# KiCad board SofleKeyboard_ref.kicad_pcb (continued)
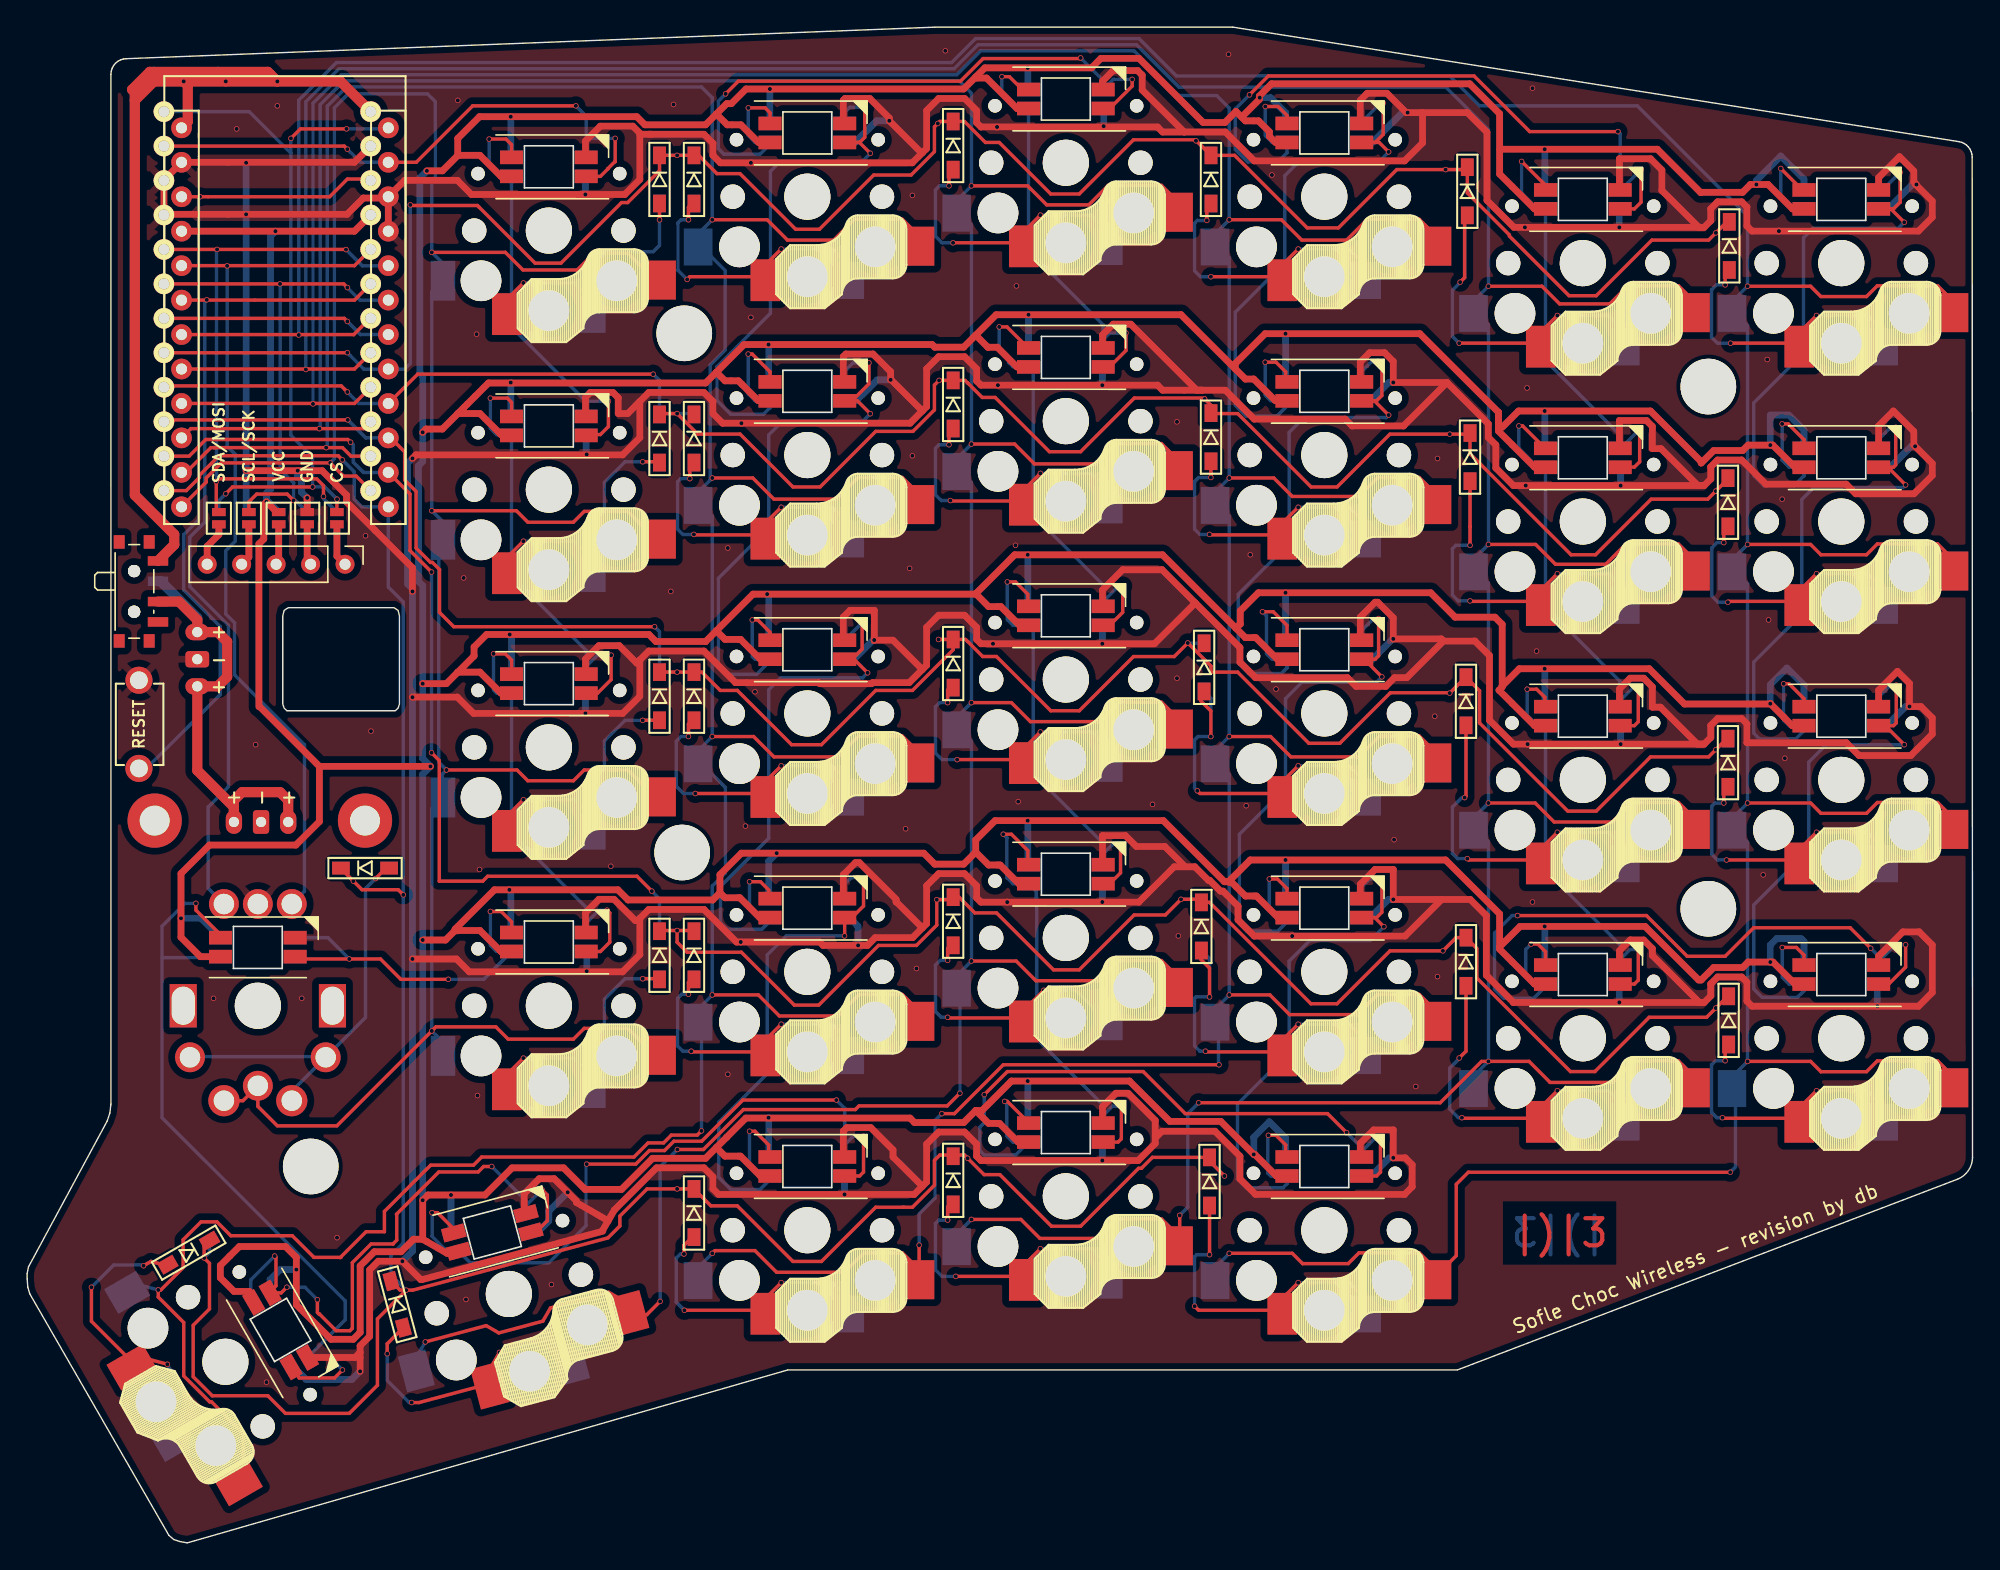
[diagram p0: board, top side]
## Routing (per net, layer and track width the routed paths; a pad name or vN(x,y) marks a point on that pad's centre or on a via; arc(x,y) is an arc through that point) (continued)
  Bottom w0.5: v1(100.68,28.39) 100.38,28.39 99.04,27.05 98.25,27.05 ; v1(100.68,47.44) 100.33,47.44 98.99,46.1 98.25,46.1 ; v1(117.44,77.95) 117.44,79.26 SW11.3 ; SW21.3 79.24,48.54 v1(79.24,47.25) ; v1(117.34,96.99) 117.34,98.29 SW5.3 ; v1(41.24,42.15) 41.24,43.56 SW19.3 ; v1(79.24,66.29) 79.24,67.59 SW15.3 ; 60.15,65.15 60.94,65.15 62.35,66.56 v1(62.43,66.56) ; 60.25,27.05 60.24,27.04 v1(60.24,25.69) ; v1(63.64,85.75) 62.65,85.75 61.11,84.21 60.15,84.21 ; 98.25,84.21 99,84.21 100.34,85.55 v1(100.68,85.55) ; v1(100.68,66.65) 100.64,66.65 99.14,65.15 98.25,65.15 ; v1(79.24,85.35) 79.24,86.64 79.3,86.7 ; 79.3,29.55 79.24,29.49 v1(79.24,28.19) ; v1(63.54,104.85) 62.61,104.85 61.01,103.25 60.15,103.25 ; SW7.3 41.2,80.29 v1(41.24,80.25) ; SW18.3 137.04,60.25 138.45,61.66 v1(138.72,61.66) ; v1(117.44,58.89) 117.44,60.21 SW17.3 ; v1(41.14,99.41) 41.14,100.69 SW1.3 ; v1(19.94,79.05) 19.94,78.66 20.19,78.41 20.19,78.35 20.21,78.33 20.21,77.47 v1(20.64,77.05) ; JP8.2 16.14,76.2 v1(16.14,79.05) v1(16.14,97.95) v1(16.14,101.75) ; SW24.3 136.35,41.1 v1(136.35,39.56) ; 98.25,103.25 99.14,103.25 101.34,105.45 v1(101.74,105.45) ; 28.4,70.34 v1(28.4,70.14) ; 28.4,70.34 v1(28.4,62.35) v1(28.4,43.05) 28.4,21.51 v1(27.66,20.76) ; 28.4,70.34 28.04,70.7 28.04,79.6 v1(28.4,79.96) ; v1(39.84,25.85) 38.44,24.45 38.44,23.73 37.93,23.22 37,22.97 ; 60.15,46.1 60.59,46.1 61.24,45.45 v1(61.24,44.05) ; SW13.3 41.14,62.59 v1(41.14,61.15) ; v1(139.24,100.15) 138.94,100.15 137.14,98.35 SW6.3 ; SW23.3 117.34,41.14 v1(117.34,39.85) ; v1(24.54,12.65) 23.94,12.05 20.56,12.05 19.5,13.11 ; v1(139.14,80.85) 138.85,80.85 137.32,79.31 136.45,79.31 ; v1(79.34,104.45) 79.34,105.71 SW3.3
  vias: v1(13.74,40.15) v1(15.44,104.25) v1(16.84,58.85) v1(17.64,11.85) v1(18.44,105.95) v1(20.24,40.15) v1(22.84,22.5) v1(24.94,74.25) v1(25.34,59.85) v1(31.74,106.35) v1(32.17,71.14) v1(32.34,17.95) v1(33.12,89.11) v1(33.19,32.98) v1(33.34,49.65) v1(38.64,19.05) v1(43.02,49.88) v1(47.44,70.15) v1(47.64,106.05) v1(51.64,73.35) v1(51.64,34.55) v1(52.94,52.85) v1(53.34,90.35) v1(53.64,62.75) v1(64.74,52.65) v1(65.04,71.85) v1(65.24,99.35) v1(65.24,80.15) v1(65.54,42.35) v1(67.67,110) v1(72.84,73.55) v1(72.91,92.67) v1(73.04,54.65) v1(82.94,54.45) v1(84.74,82.65) v1(84.74,63.75) v1(84.84,44.75) v1(88.54,109.75) v1(89.84,54.35) v1(90.14,72.85) v1(91.74,100.85) v1(92.04,62.95) v1(100.74,51.85) v1(102.34,33.65) v1(103.74,60.95) v1(103.94,79.95) v1(103.94,41.75) v1(110.54,85.15) v1(110.94,107.25) v1(110.94,47.25) v1(111.24,65.75) v1(127.94,49.25) v1(128.24,87.25) v1(128.34,68.05) v1(129.34,76.95) v1(129.54,57.85)
VCC: length 959.1
  Top w0.5: 50.8,67.25 51.43,66.61 52.58,66.61 54.04,65.15 SW14.1 ; 50.8,67.25 50,66.45 50,66.45 46.34,66.45 45.82,66.97 v1(35.56,66.97) 33.86,66.97 32.94,66.05 32.94,65.39 31.73,64.18 ; 50.8,67.25 53.5,69.95 69.88,69.95 69.91,69.98 ; 111.85,41.2 111.09,41.2 108.52,43.77 108.52,43.94 ; 69.91,50.93 70.86,49.98 71.71,49.98 73.09,48.6 73.75,48.6 ; 69.91,50.93 69.02,50.04 66.89,50.04 66.08,50.85 52.64,50.85 51.06,49.27 51.06,47.93 ; 69.91,50.93 69.91,51.82 71.34,53.25 83.74,53.25 88.24,48.75 88.44,48.75 ; 34.94,43.6 SW19.1 34.92,43.6 33.37,45.15 31.75,45.15 31.73,45.13 ; 31.73,45.13 31.55,45.13 31.54,45.15 31.54,45.25 34.44,48.15 v1(35.54,48.15) 43.54,48.15 44.29,47.4 50.53,47.4 51.06,47.93 ; 31.73,45.13 31.53,45.13 30.84,44.45 v1(29.15,44.45) ; 69.91,31.88 70.86,30.93 71.66,30.93 73.04,29.55 73.75,29.55 ; 69.91,31.88 70.37,31.88 72.54,34.05 81.24,34.05 84.21,31.07 87.97,31.07 v1(90.4,28.64) 90.47,28.64 92.06,27.05 92.75,27.05 ; 69.91,31.88 69.02,30.99 65.4,30.99 65.07,31.32 52.97,31.32 51.56,29.91 50.8,29.15 ; 50.8,29.15 51.43,28.51 52.58,28.51 54.04,27.05 54.65,27.05 ; 50.8,29.15 50,28.35 46.09,28.35 43.8,26.06 41.13,26.06 39.54,27.65 35.74,27.65 33.74,25.65 v1(31.24,25.65) 29.54,25.65 v1(29.15,25.26) 29.15,22.38 ; 31.68,21.55 30.94,21.35 29.15,22.38 ; 29.15,22.38 28.48,22.38 27.56,21.46 25.59,21.46 24.54,20.42 24.54,15.52 24.03,15.01 22.39,15.01 19.84,17.56 19.84,21.05 19.04,21.85 15.64,21.85 14.24,20.45 14.24,19.55 15.25,18.54 16.36,18.54 16.75,17.87 ; 108.44,83.35 108.44,81.96 111.09,79.31 111.85,79.31 ; 108.44,83.35 108.44,82.08 ; 108.44,83.35 102.64,89.15 91.24,89.15 89.04,86.95 89.04,86.55 ; 31.73,83.25 34,85.51 50,85.51 50.8,86.31 ; 31.73,83.25 31.75,83.26 33.37,83.26 34.92,81.71 35.7,81.71 34.94,81.71 ; 31.73,83.25 30.6,82.12 29.39,82.12 v1(29.15,81.88) ; 130.95,79.31 130.27,79.31 128.65,80.93 v1(128.47,80.93) 126.83,80.93 126.43,80.53 124.29,80.53 123.37,79.61 123.37,79.71 119.64,83.45 109.91,83.45 108.71,82.25 ; 50.8,105.35 51.59,104.55 52.6,104.55 53.9,103.25 SW2.1 ; 50.8,105.35 50,104.55 45.53,104.55 44.93,105.15 v1(35.64,105.15) 33.34,105.15 31.73,103.54 31.73,102.28 ; 50.8,105.35 51.56,106.11 51.9,106.11 52.98,107.19 69.02,107.19 69.91,108.08 ; 88.27,48.75 88.73,48.75 89.78,47.69 90.6,47.69 92.19,46.1 92.75,46.1 ; 108.52,102.75 120.14,102.75 123.34,99.55 123.36,99.57 126.43,99.57 127,100.15 v1(127.44,100.15) 128.3,100.15 130.1,98.35 SW6.1 ; 31.73,64.18 31.75,64.2 33.37,64.2 34.92,62.65 SW13.1 34.94,62.65 ; 31.73,64.18 30.9,63.35 29.16,63.35 v1(29.15,63.34) ; 89.09,67.44 89.78,66.74 90.55,66.74 92.14,65.15 92.75,65.15 ; 89.09,67.44 89.4,67.75 ; 89.09,67.44 83.68,72.85 72.78,72.85 69.91,69.98 ; 69.91,108.08 69.99,108 70.7,108 72.95,105.75 SW3.1 ; 69.91,108.08 70.58,108.75 78.44,108.75 79.14,109.45 81.94,109.45 86.67,104.72 88.27,104.72 89.09,105.54 89.51,105.12 ; 108.52,43.94 108.52,46.37 104.54,50.35 90.14,50.35 88.54,48.75 88.6,48.68 ; 108.52,43.94 110.02,45.45 119.24,45.45 123.19,41.5 123.37,41.5 124.29,42.42 126.43,42.42 126.83,42.82 v1(128.47,42.82) 128.67,42.82 130.29,41.2 SW24.1 ; 51.06,47.93 51.43,47.56 52.53,47.56 53.99,46.1 54.65,46.1 ; 73.75,67.65 73.14,67.65 71.76,69.03 70.86,69.03 69.91,69.98 ; v1(29.46,101.16) 30.6,101.16 31.73,102.28 ; U1.21 24.12,96.7 v1(18.3,96.7) U1.21 ; 31.73,102.28 31.75,102.3 33.37,102.3 34.92,100.75 SW1.1 34.94,100.75 ; 108.71,63.18 108.71,63.1 108.47,62.87 111.09,60.25 111.85,60.25 ; 108.71,63.18 109.97,64.45 119.54,64.45 122.14,61.85 128.44,61.85 v1(128.47,61.87) 128.47,61.87 129.48,60.86 129.48,60.86 130.09,60.25 SW18.1 ; 108.71,63.18 108.71,67.72 108.18,68.25 105.24,68.25 103.44,70.05 90.74,70.05 89.4,68.71 89.4,67.75 ; 54.65,84.21 53.88,84.21 52.42,85.67 51.43,85.67 50.8,86.31 ; 89.4,67.73 89.4,67.75 ; 73.8,86.7 72.94,86.7 71.5,88.15 70.8,88.15 69.91,89.04 ; 89.51,105.12 89.78,104.84 90.75,104.84 91.55,104.04 91.55,103.7 92,103.25 92.75,103.25 ; 89.51,105.12 90.81,106.42 90.81,106.67 91.71,107.57 106.31,107.57 108.52,105.37 108.52,100.92 111.09,98.35 111.85,98.35 ; 21.54,57.25 v1(29.73,57.25) ; 21.54,57.25 17.14,61.65 ; 21.54,57.25 21.54,53.18 19.81,51.45 13.44,51.45 11.34,49.35 v1(11.34,46.05) 11.34,44.65 12.77,43.22 SW25.1 ; 92.75,84.21 91.99,84.21 90.4,85.8 89.78,85.8 85.04,90.55 71.42,90.55 69.91,89.04 ; 69.91,89.04 69.02,88.15 66.89,88.15 66.69,88.35 52.83,88.35 50.8,86.31 ; JP2.2 18.39,76 v1(17.64,76.75) 17.44,76.55 17.44,74.01 17.08,73.65 17.08,61.65
  Bottom w0.5: 92.75,104.65 92.75,105.44 91.64,106.55 v1(90.84,106.55) ; v1(111.84,45.45) 111.85,45.44 111.85,42.6 ; v1(54.54,69.95) 54.65,69.84 54.65,66.55 ; SW13.1 35.7,66.84 v1(35.56,66.97) ; v1(73.8,90.55) 73.8,88.1 ; 92.75,85.61 92.75,89.14 v1(92.74,89.15) ; v1(11.34,46.05) 12.82,46.05 SW25.1 ; 111.85,61.65 111.85,64.44 v1(111.84,64.45) ; 92.75,28.45 92.75,29.84 91.54,31.05 90.4,29.91 v1(90.4,28.64) ; v1(31.24,25.65) 31.24,23.06 SW27.1 ; v1(92.74,50.35) 92.75,50.34 92.75,47.5 ; 111.85,80.71 111.85,83.44 v1(111.84,83.45) ; 130.95,80.71 130.95,82.04 129.84,83.15 128.47,83.15 v1(128.47,80.93) ; 92.75,66.55 92.75,70.04 v1(92.74,70.05) ; 73.75,50 73.75,53.24 v1(73.74,53.25) ; SW24.1 130.95,44.34 130.74,44.55 128.94,44.55 128.47,44.07 v1(128.47,42.82) ; v1(29.15,25.26) v1(29.15,44.45) 29.15,56.67 v1(29.73,57.25) 29.15,57.82 v1(29.15,63.34) 29.15,70.58 28.84,70.89 28.84,79.41 29.15,79.72 v1(29.15,81.88) 29.15,86.04 28.94,86.26 28.94,100.63 v1(29.46,101.16) ; v1(35.64,105.15) 35.65,105.14 35.65,102.15 ; v1(128.47,61.87) 128.47,63.27 129.69,64.5 130.95,63.24 SW18.1 ; 54.65,28.45 54.65,31.34 v1(54.64,31.35) ; v1(54.74,107.19) 54.74,104.66 SW2.1 ; v1(111.84,102.75) 111.85,102.74 111.85,99.75 ; v1(18.3,96.7) 17.94,96.34 17.94,77.68 17.64,77.38 v1(17.64,76.75) 17.79,76.75 JP2.2 ; v1(127.44,100.15) 127.44,100.45 129.24,102.25 130.95,100.54 SW6.1 ; 73.75,69.05 73.75,72.84 v1(73.74,72.85) ; v1(35.54,48.15) 35.65,48.04 35.65,45 ; 54.65,47.5 54.65,50.26 v1(55.24,50.85) ; 54.65,85.61 54.65,88.34 v1(54.64,88.35) ; v1(73.74,34.05) 73.75,34.04 73.75,30.95 ; SW26.1 17.91,19.41 18.65,20.15 v1(19.84,20.15) ; v1(73.74,108.75) 73.75,108.74 73.75,107.15 ; v1(35.64,85.55) 35.65,85.54 35.65,83.11
col0: length 335.2
  Top w0.25: 25.37,90.38 24.07,89.08 24.07,89.08 20.14,89.08 ; 141.6,33.5 141.6,34.73 140.8,35.53 136.35,35.53 135.56,34.74 132.2,34.74 131.44,35.5 126.79,35.5 v1(126.79,35.5) ; 141.6,90.65 141.6,91.88 140.8,92.68 136.35,92.68 135.56,91.89 132.2,91.89 131.44,92.65 126.79,92.65 v1(126.79,92.65) ; 103.4,19.35 103.4,20.58 102.6,21.38 98.15,21.38 97.36,20.59 94,20.59 93.24,21.35 88.59,21.35 v1(88.59,21.35) ; v1(126.79,54.55) 126.79,54.55 131.44,54.55 132.2,53.79 135.56,53.79 136.35,54.58 140.8,54.58 141.6,53.78 141.6,52.55 ; 20.14,89.08 U1.18 ; 20.14,89.08 20.05,89.08 v1(20.02,89.05) ; 103.5,19.35 105.32,21.17 105.32,26.44 106.21,27.33 v1(125.52,27.33) ; 141.6,71.61 141.6,72.85 140.8,73.65 136.35,73.65 135.56,72.85 132.2,72.85 131.44,73.61 126.79,73.61 v1(126.79,73.61)
  Bottom w0.25: 87.7,19.35 87.7,20.45 v1(88.59,21.35) ; v1(125.52,27.33) 125.9,27.71 125.9,34.6 v1(126.79,35.5) 126.79,51.66 125.9,52.55 125.9,53.65 v1(126.79,54.55) 126.79,70.71 125.9,71.6 ; v1(20.02,89.05) 20.02,106.36 22.79,109.14 68.13,109.14 69.9,110.9 81.95,110.9 84.7,108.15 104.84,108.15 107.04,105.95 118.67,105.95 126.79,97.82 v1(126.79,92.65) 125.9,91.75 125.9,90.65 126.79,89.76 v1(126.79,73.61) 125.9,72.72 125.9,71.61
col1: length 323.3
  Top w0.25: v1(69.59,23.85) 69.59,23.85 73.24,23.85 74.64,22.45 78.84,22.45 80.28,23.88 83.6,23.88 84.4,23.08 84.4,21.85 ; 122.5,52.55 122.5,53.78 121.7,54.58 118.28,54.58 116.84,53.15 112.54,53.15 111.14,54.55 107.69,54.55 v1(107.69,54.55) ; v1(107.69,92.65) 107.69,92.65 111.64,92.65 112.94,91.35 116.64,91.35 117.98,92.68 121.7,92.68 122.5,91.88 122.5,90.65 ; 122.5,33.5 122.5,34.73 121.7,35.53 118.43,35.53 116.84,33.95 112.24,33.95 110.69,35.5 107.69,35.5 v1(107.69,35.5) 107.19,35.5 104.14,32.45 v1(86.34,32.45) ; 20.65,86.54 20.58,86.54 v1(20.54,86.51) ; 20.65,86.54 U1.17 ; 20.65,86.54 24.12,86.54 U1.17 ; v1(107.69,73.61) 107.69,73.61 111.17,73.61 112.64,72.15 116.34,72.15 117.84,73.65 121.7,73.65 122.5,72.85 122.5,71.61 ; v1(84.94,24.15) 84.94,22.34 84.45,21.85
  Bottom w0.25: 68.7,21.85 68.7,22.95 v1(69.59,23.85) ; SW23.6 106.59,34.4 v1(107.69,35.5) 107.69,51.71 106.85,52.55 ; 106.85,71.6 107.69,70.76 v1(107.69,54.55) 106.8,53.65 106.8,52.55 ; 106.8,71.61 106.8,72.72 v1(107.69,73.61) 107.69,89.81 106.85,90.65 ; 106.8,90.65 106.8,91.75 v1(107.69,92.65) 107.69,104.19 104.55,107.33 84.88,107.33 81.76,110.45 70.08,110.45 68.32,108.69 22.98,108.69 20.54,106.25 v1(20.54,86.51) ; v1(86.34,32.45) 85.54,31.65 85.54,24.75 v1(84.94,24.15)
col2: length 306.1
  Top w0.25: 103.4,76.51 103.4,77.75 102.6,78.55 99.54,78.55 98.14,77.15 93.24,77.15 91.87,78.51 88.59,78.51 v1(88.59,78.51) ; v1(88.59,97.55) 88.59,97.55 92.44,97.55 93.94,96.05 97.24,96.05 98.78,97.58 102.6,97.58 103.4,96.78 103.4,95.55 ; 21.21,84 U1.16 ; 21.21,84 24.12,84 U1.16 ; 21.21,84 21.1,84 v1(21.07,83.97) ; v1(67.41,31.65) 68.34,31.65 71.94,35.25 v1(87.84,35.25) ; v1(50.49,21.35) 50.69,21.55 53.64,21.55 55.24,19.95 60.24,19.95 61.68,21.38 64.5,21.38 65.3,20.58 65.3,19.35 ; v1(65.74,21.95) 65.74,19.69 65.4,19.35 ; v1(88.59,59.45) 88.59,59.45 91.64,59.45 93.14,57.95 98.14,57.95 99.68,59.48 102.6,59.48 103.4,58.68 103.4,57.45 ; 103.4,38.4 103.4,39.63 102.6,40.43 99.53,40.43 98.04,38.95 93.04,38.95 91.59,40.4 88.59,40.4 v1(88.59,40.4)
  Bottom w0.25: 87.7,38.4 87.7,39.5 v1(88.59,40.4) 88.59,56.66 87.8,57.45 ; 49.6,19.35 49.6,20.45 v1(50.49,21.35) ; 87.8,76.5 88.59,75.71 v1(88.59,59.45) 87.7,58.55 87.7,57.45 ; v1(87.84,35.25) 87.8,35.29 87.8,38.4 ; 87.7,95.55 87.7,96.65 v1(88.59,97.55) 88.59,105.78 87.67,106.7 84.88,106.7 81.57,110 70.27,110 68.5,108.24 23.16,108.24 21.07,106.14 v1(21.07,83.97) ; v1(67.41,31.65) 66.91,31.14 66.91,25.42 65.74,24.25 v1(65.74,21.95) ; 87.8,95.55 88.59,94.76 v1(88.59,78.51) 87.7,77.62 87.7,76.51
col3: length 290.6
  Top w0.25: 44.16,16.72 43.84,17.91 42.86,18.48 38.57,17.32 38.01,16.35 34.76,15.48 33.83,16.02 29.34,14.82 v1(29.34,14.81) ; v1(69.59,42.9) 69.59,42.9 72.89,42.9 74.34,41.45 78.94,41.45 80.43,42.93 83.6,42.93 84.4,42.13 84.4,40.9 ; 84.4,79.01 84.4,80.25 83.6,81.05 80.24,81.05 78.74,79.55 74.24,79.55 72.77,81.01 69.59,81.01 v1(69.59,81.01) ; v1(46.65,17.8) 45.67,16.82 44.09,16.82 ; U1.15 24.81,82.15 v1(21.54,82.15) 12.06,82.15 U1.15 ; 84.4,98.05 84.4,99.28 83.6,100.08 79.68,100.08 78.24,98.65 75.14,98.65 73.74,100.05 69.59,100.05 v1(69.59,100.05) ; v1(69.59,61.95) 69.59,61.95 72.54,61.95 73.94,60.55 79.04,60.55 80.48,61.98 83.6,61.98 84.4,61.18 84.4,59.95 ; v1(47.92,29) 49.84,29 52.78,31.95 61.04,31.95 61.31,32.22 67.81,32.22 v1(68.74,33.15)
  Bottom w0.25: 29,12.65 28.71,13.72 v1(29.34,14.81) ; v1(46.65,17.8) 46.65,27.73 v1(47.92,29) ; 68.75,79 69.59,78.16 v1(69.59,61.95) 68.7,61.05 68.7,59.95 ; v1(21.54,82.15) 21.59,82.2 21.59,106.03 23.35,107.79 68.68,107.79 69.59,106.87 v1(69.59,100.05) 68.7,99.15 68.7,98.05 ; 68.7,79.01 68.7,80.12 v1(69.59,81.01) 69.59,97.21 68.75,98.05 ; v1(68.74,33.15) 68.75,33.16 68.75,42.05 v1(69.59,42.9) 69.59,59.11 68.75,59.95
col4: length 289
  Top w0.25: 15.34,4.83 15.94,5.43 15.94,8.05 13.59,10.4 13.45,10.4 11.54,12.31 11.54,16.25 9.66,18.12 v1(9.66,18.65) 9.85,18.65 11.5,20.29 11.5,22.35 12.82,23.67 13.98,23.67 15.01,22.65 19.54,22.65 21.14,21.05 23.14,21.05 ; U1.14 11.72,78.92 13.54,80.75 13.94,80.75 ; v1(50.49,59.45) 50.49,59.45 53.54,59.45 55.04,57.95 59.74,57.95 61.28,59.48 64.5,59.48 65.3,58.68 65.3,57.45 ; v1(49.7,30.38) 49.39,30.06 47.48,30.06 46.9,29.49 45.76,29.49 44.72,28.45 33.49,28.45 32.89,27.85 29.74,27.85 26.33,24.44 26.33,22.94 24.98,22.94 23.07,21.03 ; U1.14 23.87,80.12 23.24,80.75 v1(22.04,80.75) 13.74,80.75 ; 65.3,95.55 65.3,96.78 64.5,97.58 60.98,97.58 59.44,96.05 56.04,96.05 54.54,97.55 50.49,97.55 v1(50.49,97.55) ; v1(50.49,78.51) 50.49,78.51 53.47,78.51 55.04,76.95 59.64,76.95 61.24,78.55 64.5,78.55 65.3,77.75 65.3,76.51 ; 65.3,38.4 65.3,39.63 64.5,40.43 61.33,40.43 59.74,38.85 55.44,38.85 53.89,40.4 50.49,40.4 v1(50.49,40.4)
  Bottom w0.25: 49.6,38.4 49.6,39.5 v1(50.49,40.4) 50.49,48.43 51.46,49.4 51.46,55.69 49.7,57.45 ; 50.33,78.35 50.33,86.84 51.44,87.95 51.44,93.81 49.7,95.55 ; 50.33,78.35 49.6,77.62 49.6,76.51 ; 50.33,78.35 v1(50.49,78.51) ; 49.6,95.55 49.6,96.65 v1(50.49,97.55) 50.49,106.54 49.7,107.34 23.54,107.34 22.12,105.92 22.12,80.83 v1(22.04,80.75) ; v1(49.7,30.38) 49.7,30.38 49.7,38.4 ; v1(9.66,18.65) 8.44,18.98 7.49,18.42 ; 49.7,76.5 50.49,75.71 v1(50.49,59.45) 49.6,58.55 49.6,57.45
col5: length 215.5
  Top w0.25: v1(30.9,56.98) 36.1,56.98 36.9,56.19 40.26,56.19 41.05,56.98 44.27,56.98 46.3,54.95 ; v1(29.82,95.15) 35.24,95.15 36.54,93.85 40.54,93.85 41.78,95.08 44.27,95.08 46.3,93.05 ; 46.3,35.9 44.27,37.93 41.05,37.93 40.26,37.14 35.45,37.14 34.54,38.05 30.13,38.05 v1(29.82,37.74) 22.83,30.75 18.44,30.75 17,32.18 SW25.5 15.9,32.6 SW31.S1 ; v1(29.82,76.1) 36.05,76.1 36.9,75.25 40.26,75.25 41.05,76.05 44.27,76.05 46.3,74.01 ; U1.13 13.2,78.21 13.2,78.51 14.31,79.62 22.34,79.62 v1(22.34,79.62) 23.31,78.65 24.25,78.65 U1.13
  Bottom w0.25: 30.6,54.95 30.6,56.68 v1(30.9,56.98) 30.33,57.55 30.33,73.62 30.65,73.94 30.65,73.95 ; SW1.6 29.82,92.22 v1(29.82,76.1) 30.6,75.32 30.6,74.01 ; 30.6,35.9 30.6,36.96 v1(29.82,37.74) 29.82,54.12 30.65,54.95 ; v1(22.34,79.62) 22.64,79.93 22.64,105.81 23.66,106.83 29.5,106.83 30.09,106.25 30.09,100.68 29.82,100.42 v1(29.82,95.15) 30.6,94.37 30.6,93.05
CS: length 55.8
  Top w0.25: v1(23.54,104.25) 20.14,104.25 v1(19.44,103.55) ; v1(22.84,76.95) 22.83,76.94 JP0.2 ; v1(21.04,77.85) 15.14,77.85 v1(14.64,77.35)
  Bottom w0.25: v1(14.64,77.35) 14.13,76.84 JP9.2 ; v1(23.54,104.25) 26.54,104.25 U1.1 ; v1(22.84,76.95) 21.94,77.85 v1(21.04,77.85) 21.04,80.05 19.44,81.65 v1(19.44,103.55) ; 19.44,102.45 16.37,105.52 U1.1
ENCA: length 64.8
  Top w0.25: U1.20 24.12,94.16 U1.20
  Bottom w0.25: SW31.A 20.44,48.04 20.44,58.85 15.29,64 15.29,67.83 14.64,68.48 14.64,73.15 15.34,73.85 15.34,80.25 14.74,80.85 v1(14.74,94.15)
ENCB: length 61.8
  Top w0.25: U1.19 24.12,91.62 U1.19
  Bottom w0.25: v1(13.24,91.65) 13.09,91.5 13.09,75.25 11.99,74.15 11.99,70.5 14.84,67.65 14.84,55.75 13.34,54.25 13.34,48.26 SW31.B
LED: length 44.5
  Top w0.25: 41.15,100.75 42.25,100.75 42.8,101.29 42.8,101.31 43.31,101.82 43.33,101.82 43.34,101.84 v1(43.34,103.55) ; v1(23.6,102.75) 23.37,102.98 U1.2 ; U1.2 28.68,101.78 32.84,105.95 v1(40.44,105.95)
  Bottom w0.25: v1(23.6,102.75) 24.57,101.78 U1.2 ; v1(40.44,105.95) 41.2,105.19 SW1.4 ; v1(43.34,103.55) 41.44,103.55 41.15,103.26 41.15,102.15
RESET: length 60.4
  Top w0.25: 25.37,100.54 25.36,100.55 23.6,100.55 22.29,99.24 v1(12.74,99.24) U1.22
  Bottom w0.25: 8.84,57.4 9.09,57.4 14.24,62.55 14.24,67.55 11.54,70.25 11.54,74.33 12.64,75.43 12.64,99.15 v1(12.74,99.24)
row0: length 164.2
  Top w0.25: 70.62,103.25 69.08,104.8 D3.1 67.26,104.8 v1(67.12,104.65) 66.87,104.4 66.87,102.57 65.14,100.85 62.39,100.85 58.39,96.85 56.64,96.85 52.54,100.95 50.84,100.95 49.49,102.3 D2.1 49.14,102.3 47.9,102.3 ; 47.9,102.3 D1.1 46.61,101.16 44.26,98.81 43.81,98.81 39.34,94.35 37.44,94.35 33.29,98.49 ; 47.9,102.3 v1(47.9,102.3) ; 33.34,98.45 33.19,98.6 28.29,98.6 v1(28.24,98.65) ; U1.8 23.59,87.74 v1(23.6,87.75) ; D6.1 125.27,97.4 v1(124.46,96.58) 123.92,96.05 119.74,96.05 115.64,91.95 113.64,91.95 109.24,96.35 109.24,96.43 106.14,99.53 D5.1 105.96,101.25 v1(104.54,101.25) 100.94,101.25 96.64,96.95 94.34,96.95 88.99,102.3 D4.1 86.1,103.44 81.53,103.44 77.54,99.45 75.44,99.45 71.64,103.25 70.64,103.25
  Bottom w0.25: D4.1 86.17,103.37 v1(86.14,103.37) ; D5.1 105.96,101.25 v1(104.54,101.25) ; v1(124.46,96.58) 125.27,97.4 D6.1 ; v1(28.24,98.65) 28.24,86.95 27.84,86.54 U1.8 ; D3.1 67.26,104.8 v1(67.12,104.65) ; 26.67,86.54 24.81,86.54 v1(23.6,87.75) ; D1.1 46.61,102.3 D2.1
row1: length 148.8
  Top w0.25: 125.27,78.36 v1(124.46,77.55) 123.86,76.95 119.69,76.95 115.59,72.85 113.79,72.85 106.34,80.3 D11.1 106.26,81.74 v1(104.84,81.74) 100.43,81.74 96.54,77.85 94.63,77.85 89.22,83.26 87.25,83.26 ; 47.9,83.26 v1(47.9,83.26) ; 47.9,83.26 46.61,83.26 ; 47.9,83.26 49.41,81.75 52.54,81.75 56.44,77.85 58.44,77.85 62.54,81.95 65.28,81.95 66.87,83.53 66.87,85.36 v1(67.21,85.7) D9.1 69.12,85.7 69.31,85.52 69.31,85.52 70.39,84.45 71.34,84.45 75.34,80.45 77.64,80.45 81.6,84.41 86.81,84.41 ; U1.9 28.78,86.16 v1(46.14,86.16) ; 10.13,85.3 23.15,85.3 v1(23.6,84.85) ; D10.1 87.25,83.87 v1(86.78,84.33)
  Bottom w0.25: 125.27,78.36 v1(124.46,77.55) ; 49.15,83.26 46.61,83.26 ; D7.1 46.61,85.7 v1(46.14,86.16) ; D9.1 v1(67.21,85.7) ; D11.1 106.26,81.74 v1(104.84,81.74) ; v1(23.6,84.85) 24.45,84 26.67,84 ; D10.1 87.25,83.87 v1(86.78,84.33)
row2: length 162.1
  Top w0.25: U1.10 26.79,81.46 27.82,80.43 27.82,78.36 28.67,77.52 28.67,73.35 29.73,72.29 29.87,72.29 30.39,71.76 30.39,68.59 31.44,67.55 ; 104.84,62.68 100.47,62.68 96.74,58.95 94.46,58.95 89.22,64.19 87.25,64.19 87.25,64.64 v1(85.54,66.35) 84.53,65.34 81.53,65.34 77.54,61.35 75.44,61.35 71.44,65.35 70.42,65.35 69.31,66.46 69.31,66.46 69.16,66.61 D15.1 ; D15.1 v1(67.17,66.61) ; D15.1 68.25,65.85 65.24,62.85 62.54,62.85 58.54,58.85 56.34,58.85 52.34,62.85 51.08,62.85 49.73,64.19 49.15,64.19 49.14,64.2 47.9,64.2 ; 47.9,64.2 v1(47.9,64.2) ; 47.9,64.2 46.61,64.2 ; U1.10 10.21,82.79 v1(23.63,82.79) ; v1(104.84,62.65) 106.01,63.82 D17.1 107.04,62.82 107.04,60.45 113.54,53.95 115.64,53.95 119.64,57.95 123.92,57.95 v1(124.46,58.48) 125.27,59.3 ; v1(46.24,67.55) 31.43,67.55
  Bottom w0.25: U1.10 24.96,81.46 v1(23.63,82.79) ; D17.1 106.01,63.82 v1(104.84,62.65) ; D16.1 85.56,66.32 v1(85.54,66.35) ; v1(46.24,67.55) 46.61,67.18 46.61,64.19 ; 125.27,59.3 v1(124.46,58.48) ; 46.61,64.2 46.61,64.19 49.15,64.19 ; D15.1 v1(67.17,66.61)
row3: length 183.3
  Top w0.25: 47.9,45.15 v1(47.9,45.15) 49.09,45.15 D20.1 ; 47.9,45.15 46.61,45.15 ; 47.9,45.15 47.9,44.29 48.64,43.55 52.64,43.55 56.54,39.65 58.34,39.65 62.74,44.05 65.54,44.05 67.04,45.55 v1(67.04,47.42) 68.06,47.42 D21.1 68.68,47.61 69.84,46.45 71.44,46.45 75.64,42.25 77.54,42.25 81.58,46.29 83.88,46.29 v1(85.04,47.45) 86.31,47.45 D22.1 87.14,47.22 94.61,39.75 96.54,39.75 100.44,43.65 v1(104.34,43.65) 105.31,44.62 D23.1 106.84,43.82 106.84,41.65 113.74,34.75 115.54,34.75 119.54,38.75 123.77,38.75 v1(124.46,39.43) 125.27,40.25 125.44,40.25 ; v1(29.8,58.25) 30.38,57.68 30.38,48.78 33.58,48.78 33.94,49.15 44.94,49.15 v1(46.04,48.05) ; v1(29.8,71.57) 28.22,73.16 28.22,77.33 U1.11 ; U1.11 11.94,80.12 13.17,81.35 23.64,81.35 v1(23.84,81.15)
  Bottom w0.25: v1(23.84,81.15) 24.04,80.95 24.04,79.67 24.79,78.92 26.67,78.92 ; v1(67.04,47.42) 67.07,47.45 68.09,47.45 D21.1 ; v1(85.04,47.45) 86.31,47.45 D22.1 ; 49.15,45.14 46.61,45.14 ; D19.1 46.61,47.48 v1(46.04,48.05) ; v1(124.46,39.43) 125.27,40.25 125.44,40.25 ; D23.1 105.31,44.62 v1(104.34,43.65) ; 29.8,71.55 v1(29.8,58.25)
row4: length 202.2
  Top w0.25: U1.12 11.73,77.58 12.7,78.55 12.7,78.71 14.14,80.15 22.93,80.15 v1(23.23,79.85) ; v1(27.73,47.77) 27.35,48.16 24.68,48.16 v1(24.04,48.79) 23.12,49.71 D25.1 ; v1(27.93,18.63) 28.41,18.63 42.8,22.49 43.68,23.36 43.68,24.09 45.69,26.1 v1(47.9,26.1) 47.9,26.1 49.14,26.1 D28.1 50.39,24.85 52.34,24.85 56.44,20.75 58.54,20.75 62.54,24.75 64.64,24.75 ; v1(27.93,18.63) 25.82,16.51 25.82,11.63 23.74,9.55 19.04,9.55 17.74,10.85 13.64,10.85 12.24,12.25 12.24,16.05 13.44,17.25 13.44,20.61 v1(13.04,21.01) 13.04,21.88 D26.1 ; v1(27.93,18.63) 27.49,18.63 D27.1 ; 70.54,27.15 71.69,27.15 75.49,23.35 77.64,23.35 81.91,27.61 82.12,27.61 82.93,28.42 86.86,28.42 v1(88.24,27.05) ; 70.52,27.15 v1(69.31,28.36) 69.08,28.59 67.26,28.59 66.86,28.2 66.86,26.37 65.24,24.75 64.54,24.75
  Bottom w0.25: v1(69.31,28.36) 69.08,28.59 68.25,28.59 ; v1(13.04,21.01) 13.44,21.41 D26.1 ; v1(27.93,18.63) 27.26,19.3 D27.1 26.81,21.21 27.73,22.12 v1(27.73,47.77) 27.73,69.36 26.62,70.47 U1.12 ; v1(24.04,48.79) 23.12,49.71 D25.1 ; D30.1 87.14,28.15 v1(88.24,27.05) ; 26.67,76.38 24.67,76.38 24.1,76.95 24.1,78.97 23.23,79.84 v1(23.23,79.85) ; D28.1 47.9,26.09 v1(47.9,26.1)
SCL: length 39.3
  Top w0.25: v1(23.6,92.55) 23.33,92.82 U1.6 ; v1(19.64,76.85) 19.16,77.32 16.91,77.32 16.34,76.75 JP3.2
  Bottom w0.25: v1(23.6,92.55) 24.53,91.62 U1.6 ; v1(18.64,92.82) 18.64,79.15 19.64,78.15 v1(19.64,76.85) 19.79,76.85 JP6.2
SDA: length 47.1
  Top w0.25: v1(23.5,95.35) 23.49,95.36 v1(14,95.36) U1.5 ; v1(21.84,77.15) 21.84,77.95 21.34,78.45 14.14,78.45 v1(13.94,78.25) 13.94,76.19 JP4.2
  Bottom w0.25: v1(23.5,95.35) 24.7,94.15 26.6,94.15 U1.5 ; v1(21.84,77.15) 21.84,76.99 JP5.2 ; v1(13.94,78.25) 13.95,78.26 13.95,95.31 v1(14,95.36)
Net-(D1-Pad2): length 20.9
  Top w0.25: 35.6,90.85 35.6,91.91 v1(36.57,92.89) ; D1.2 v1(46.61,97.54)
  Bottom w0.25: D1.2 v1(46.61,97.54) 46.61,95.66 46.13,95.19 42.54,95.19 41.2,93.84 41.2,92.02 ; 41.2,92.02 40.33,92.89 v1(36.57,92.89) ; 41.2,92.02 41.2,90.9 41.25,90.85
Net-(D2-Pad2): length 23
  Top w0.25: v1(48.64,93.15) 48.84,93.35 54.7,93.35 54.7,94.52 v1(55.57,95.39) ; v1(48.74,97.55) 48.74,98.47 49.15,98.88
  Bottom w0.25: 60.2,93.35 60.2,94.52 59.33,95.39 v1(55.57,95.39) ; v1(48.64,93.15) 47.97,93.82 47.97,97.32 48.19,97.55 v1(48.74,97.55) 48.74,98.47 49.15,98.88
Net-(D3-Pad2): length 23
  Top w0.25: v1(67.94,100.05) 67.94,101.07 68.25,101.38 ; v1(68.24,95.85) 68.24,95.85 73.75,95.85 73.75,96.97 v1(74.67,97.89)
  Bottom w0.25: v1(74.67,97.89) 78.43,97.89 79.3,97.02 79.3,95.85 ; 68.25,101.38 67.94,101.07 v1(67.94,100.05) 67.24,100.05 66.94,99.75 66.94,96.33 67.42,95.85 v1(68.24,95.85)
Net-(D4-Pad2): length 23
  Top w0.25: v1(87.24,93.35) 87.24,93.35 92.8,93.35 92.8,94.52 v1(93.67,95.39) ; v1(86.94,97.5) 86.94,98.57 87.25,98.88
  Bottom w0.25: v1(87.24,93.35) 86.47,93.35 86.04,93.78 86.04,97.3 86.24,97.5 v1(86.94,97.5) 86.94,98.57 87.25,98.88 ; 98.3,93.35 98.3,94.52 97.43,95.39 v1(93.67,95.39)
Net-(D5-Pad2): length 30.1
  Top w0.25: v1(105.54,88.45) 105.54,88.45 111.85,88.45 111.85,89.56 v1(112.77,90.49) ; D5.2 105.94,97.67 105.94,93.28 v1(105.61,92.95)
  Bottom w0.25: 117.4,88.45 117.4,89.62 116.53,90.49 v1(112.77,90.49) ; D5.2 105.94,97.67 105.94,93.28 v1(105.61,92.95) 105.61,92.92 105.04,92.35 105.04,88.95 v1(105.54,88.45)
Net-(D6-Pad2): length 22.6
  Top w0.25: v1(131.87,90.49) 130.9,89.52 130.9,88.45 125.54,88.45 v1(125.54,88.45) ; v1(125.14,92.75) 125.14,93.54 D6.2
  Bottom w0.25: v1(125.54,88.45) 124.57,88.45 124.14,88.88 124.14,92.4 124.49,92.75 v1(125.14,92.75) 125.14,93.54 D6.2 ; 136.5,88.45 136.5,89.62 135.63,90.49 v1(131.87,90.49)
Net-(D7-Pad2): length 21.5
  Top w0.25: 35.6,71.81 35.6,72.88 v1(36.57,73.85) ; v1(45.36,79.7) 45.37,79.71 46.61,79.71
  Bottom w0.25: v1(36.57,73.85) 40.33,73.85 41.2,72.98 41.2,71.81 41.2,74.81 42.54,76.15 42.54,78.18 44.06,79.7 v1(45.36,79.7) 45.37,79.71 46.61,79.71
Net-(D8-Pad2): length 23
  Top w0.25: v1(49.14,74.35) 49.17,74.31 54.69,74.31 54.7,74.3 54.7,75.48 v1(55.57,76.35) ; 49.15,79.84 48.84,79.53 v1(48.84,78.46)
  Bottom w0.25: 60.2,74.31 60.2,75.48 59.33,76.35 v1(55.57,76.35) ; v1(49.14,74.35) 48.32,74.35 47.94,74.73 47.94,78.25 48.15,78.46 v1(48.84,78.46) 48.84,79.53 49.15,79.84
Net-(D9-Pad2): length 23.1
  Top w0.25: v1(67.94,80.96) 67.94,82.03 68.25,82.34 ; v1(68.04,76.85) 68.07,76.81 73.74,76.81 73.75,76.8 73.75,77.93 v1(74.67,78.85)
  Bottom w0.25: 79.3,76.81 79.3,77.98 78.43,78.85 v1(74.67,78.85) ; v1(68.04,76.85) 67.37,76.85 66.94,77.28 66.94,80.7 67.2,80.96 v1(67.94,80.96) 67.94,82.03 68.25,82.34
Net-(D10-Pad2): length 22.8
  Top w0.25: v1(93.67,76.35) 92.7,75.38 92.7,74.31 87.17,74.31 v1(87.14,74.35) ; v1(87.24,78.55) 87.24,79.83
  Bottom w0.25: 98.3,74.31 98.3,75.48 97.43,76.35 v1(93.67,76.35) ; v1(87.14,74.35) 86.42,74.35 86.04,74.73 86.04,78.25 86.34,78.55 v1(87.24,78.55) 87.24,79.83
Net-(D11-Pad2): length 29.8
  Top w0.25: v1(106.34,69.45) 106.37,69.41 111.8,69.41 111.8,70.48 v1(112.77,71.45) ; D11.2 106.34,74.94 106.34,74.94 106.34,74.93 v1(106.34,73.55)
  Bottom w0.25: 117.4,69.41 117.4,70.58 116.53,71.45 v1(112.77,71.45) ; v1(106.34,69.45) 105.47,69.45 105.04,69.88 105.04,73.3 105.29,73.55 v1(106.34,73.55) 106.34,74.93 106.34,74.94 106.34,74.94 D11.2
Net-(D12-Pad2): length 22.8
  Top w0.25: v1(125.34,69.35) 125.41,69.41 130.9,69.41 130.9,70.48 v1(131.87,71.45) ; D12.2 125.04,74.64 v1(125.04,73.75)
  Bottom w0.25: 136.5,69.41 136.5,70.58 135.63,71.45 v1(131.87,71.45) ; D12.2 125.04,74.64 v1(125.04,73.75) 124.54,73.75 124.17,73.37 124.17,69.81 124.62,69.35 v1(125.34,69.35)
Net-(D13-Pad2): length 21.5
  Top w0.25: v1(45.36,60.64) 45.37,60.65 46.61,60.65 ; 35.6,52.75 35.6,53.81 v1(36.57,54.79)
  Bottom w0.25: 46.61,60.65 45.37,60.65 v1(45.36,60.64) 44.06,60.64 42.54,59.12 42.54,57.09 41.2,55.75 41.2,52.75 41.2,53.92 40.33,54.79 v1(36.57,54.79)
Net-(D14-Pad2): length 22.9
  Top w0.25: v1(49.24,55.25) 49.24,55.25 54.6,55.25 54.6,56.31 v1(55.57,57.29) ; 49.15,60.78 48.74,60.37 v1(48.74,59.45)
  Bottom w0.25: v1(55.57,57.29) 59.33,57.29 60.2,56.42 60.2,55.25 ; v1(49.24,55.25) 48.37,55.25 47.84,55.78 47.84,59.1 48.19,59.45 v1(48.74,59.45) 48.74,60.37 49.15,60.78
Net-(D15-Pad2): length 23
  Top w0.25: 68.25,63.28 67.84,62.87 v1(67.84,61.95) ; v1(74.67,59.79) 73.7,58.81 73.7,57.75 68.54,57.75 v1(68.54,57.75)
  Bottom w0.25: v1(68.54,57.75) 67.42,57.75 66.94,58.23 66.94,61.65 67.24,61.95 v1(67.84,61.95) 67.84,62.87 68.25,63.28 ; 79.3,57.75 79.3,58.92 78.43,59.79 v1(74.67,59.79)
Net-(D16-Pad2): length 27.5
  Top w0.25: v1(86.24,55.45) 86.44,55.25 92.7,55.25 92.7,56.31 v1(93.67,57.29) ; D16.2 86.51,62.54 86.51,62.06 87.24,61.33 v1(87.24,59.45)
  Bottom w0.25: 98.3,55.25 98.3,56.42 97.43,57.29 v1(93.67,57.29) ; v1(86.24,55.45) 86.04,55.65 86.04,59.2 86.29,59.45 v1(87.24,59.45) 87.24,62.27 D16.2
Net-(D17-Pad2): length 30.9
  Top w0.25: v1(112.77,52.39) 111.8,51.42 111.8,50.35 106.24,50.35 v1(106.14,50.45) ; v1(105.94,54.95) 106.04,55.05 D17.2
  Bottom w0.25: v1(112.77,52.39) 116.53,52.39 117.4,51.52 117.4,50.35 ; v1(106.14,50.45) 105.42,50.45 105.04,50.83 105.04,54.25 105.74,54.95 v1(105.94,54.95) 106.04,55.05 D17.2
Net-(D18-Pad2): length 22.7
  Top w0.25: v1(125.24,50.35) 125.24,50.35 130.9,50.35 130.9,51.42 v1(131.87,52.39) ; 125.34,55.75 125.04,55.44 v1(125.04,54.55)
  Bottom w0.25: v1(125.24,50.35) 124.57,50.35 124.17,50.76 124.17,54.32 124.39,54.55 v1(125.04,54.55) 125.04,55.44 125.34,55.75 ; v1(131.87,52.39) 135.63,52.39 136.5,51.52 136.5,50.35
Net-(D19-Pad2): length 21.5
  Top w0.25: v1(36.57,35.74) 35.6,34.77 35.6,33.7 ; v1(45.36,41.59) 45.37,41.6 46.61,41.6
  Bottom w0.25: 46.61,41.6 45.37,41.6 v1(45.36,41.59) 44.06,41.59 42.54,40.07 42.54,38.04 41.2,36.69 41.2,33.7 41.2,34.87 40.33,35.74 v1(36.57,35.74)
Net-(D20-Pad2): length 22.8
  Top w0.25: v1(48.74,40.45) 48.74,41.32 49.15,41.72 ; v1(48.94,36.25) 48.99,36.2 54.6,36.2 54.6,37.27 v1(55.57,38.24)
  Bottom w0.25: v1(48.94,36.25) 48.32,36.25 47.94,36.63 47.94,40.15 48.24,40.45 v1(48.74,40.45) 48.74,41.32 49.15,41.72 ; 60.2,36.2 60.2,37.37 59.33,38.24 v1(55.57,38.24)
Net-(D21-Pad2): length 22.7
  Top w0.25: 73.7,38.7 67.89,38.7 v1(67.84,38.75) ; 73.7,38.7 73.7,39.52 v1(74.92,40.74) ; 73.7,38.7 73.7,39.31 ; 68.25,44.22 67.84,43.82 v1(67.84,42.95)
  Bottom w0.25: 68.25,44.22 67.84,43.82 v1(67.84,42.95) 67.29,42.95 66.94,42.6 66.94,39.18 67.37,38.75 v1(67.84,38.75) ; v1(74.92,40.74) 77.26,40.74 79.3,38.7
Net-(D22-Pad2): length 27.5
  Top w0.25: v1(86.84,36.25) 86.89,36.2 92.7,36.2 92.7,37.27 v1(93.67,38.24) ; v1(87.14,40.25) 87.14,42.38 86.51,43.01 86.51,43.64 D22.2
  Bottom w0.25: v1(93.67,38.24) 97.43,38.24 98.3,37.37 98.3,36.2 ; D22.2 87.14,43.07 v1(87.14,40.25) 86.14,40.25 86.04,40.15 86.04,36.63 86.42,36.25 v1(86.84,36.25)
Net-(D23-Pad2): length 31
  Top w0.25: v1(112.77,33.34) 111.8,32.36 111.8,31.3 105.8,31.3 105.75,31.35 v1(105.74,31.35) ; D23.2 106.04,36.25 v1(105.54,35.75)
  Bottom w0.25: D23.2 106.04,36.25 v1(105.54,35.75) 105.54,35.7 104.84,35 104.84,31.98 105.47,31.35 v1(105.74,31.35) ; 117.4,31.3 117.4,32.47 116.53,33.34 v1(112.77,33.34)
Net-(D24-Pad2): length 22.8
  Top w0.25: v1(124.94,31.35) 124.99,31.3 130.9,31.3 130.9,32.36 v1(131.87,33.34) ; v1(125.14,35.55) 125.14,36.49 125.4,36.75
  Bottom w0.25: v1(131.87,33.34) 135.63,33.34 136.5,32.47 136.5,31.3 ; 125.4,36.75 125.14,36.49 v1(125.14,35.55) 124.44,35.55 124.14,35.25 124.14,31.73 124.52,31.35 v1(124.94,31.35)
